# Allegro board LAY-27392_C.brd (continued)
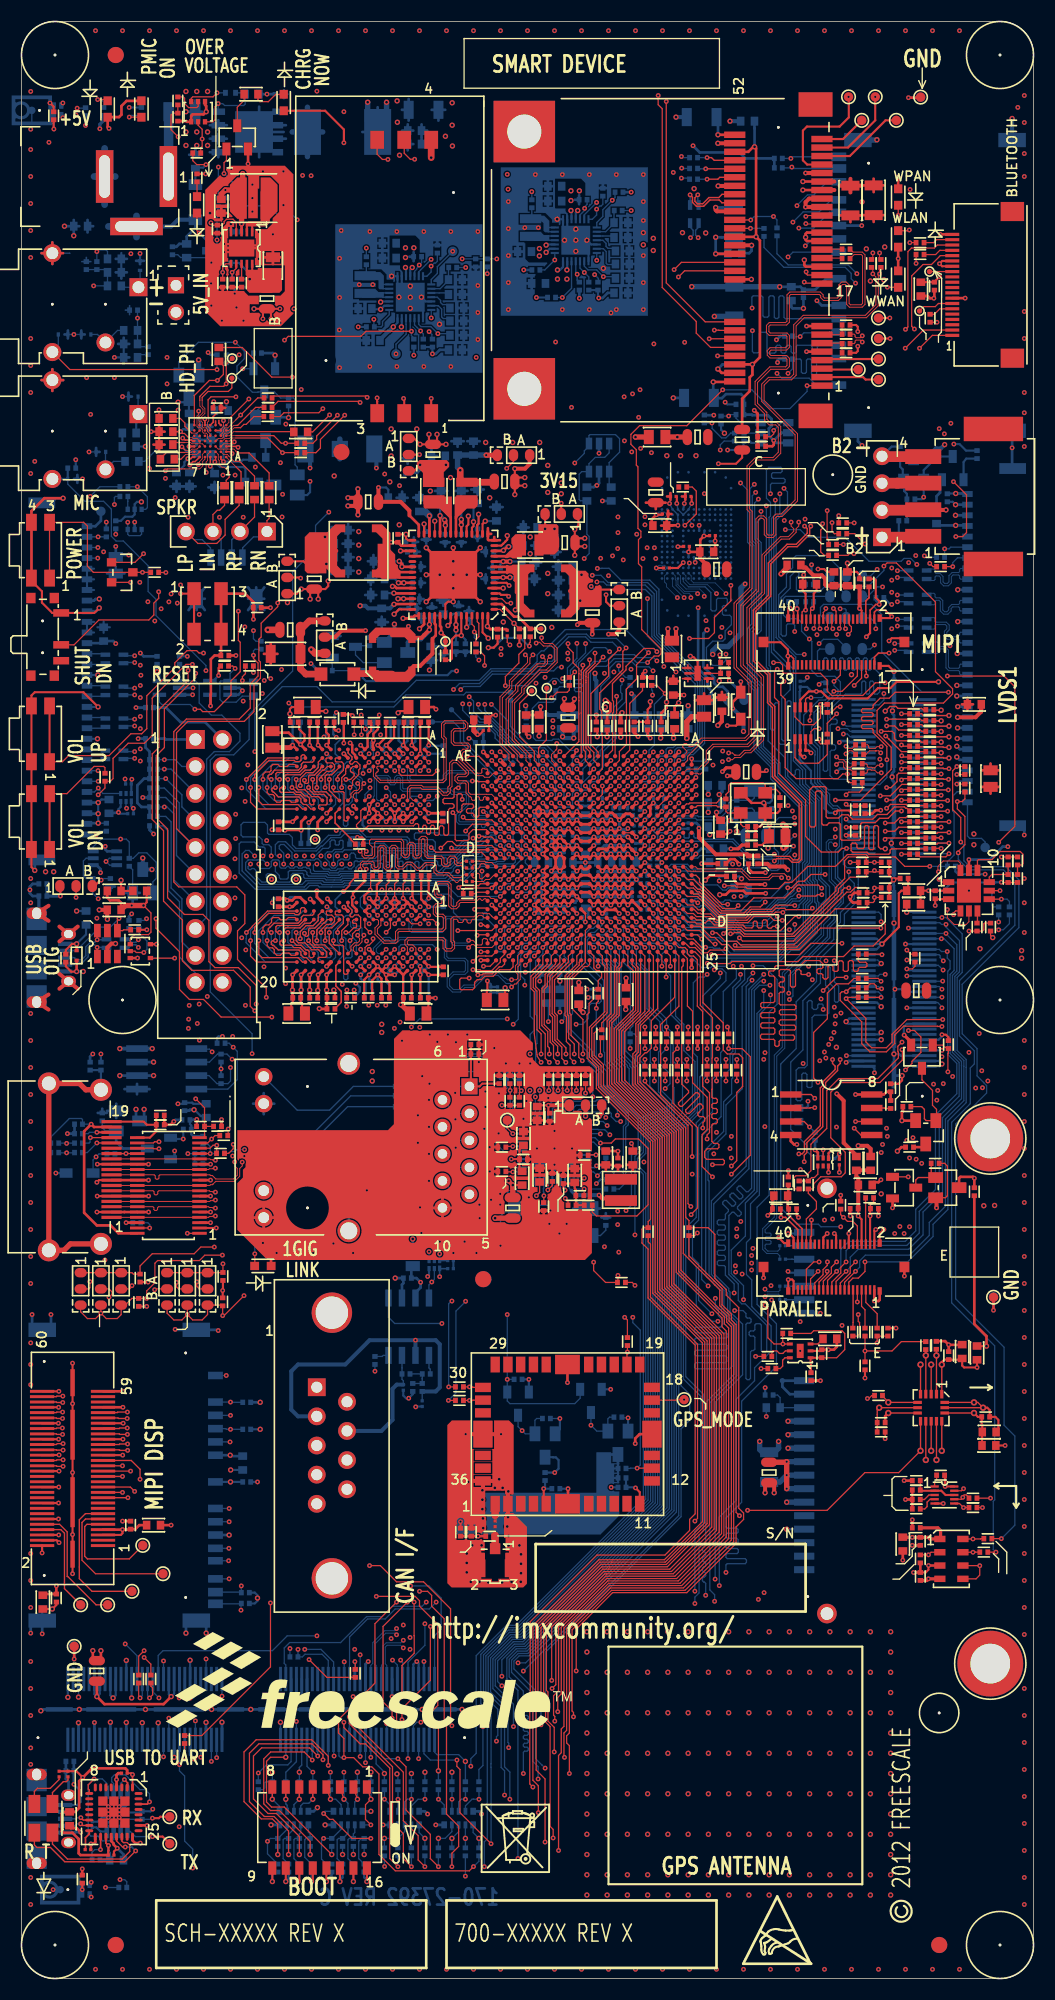
[diagram p0: board, top side]
## Routing (per net, layer and track width the routed paths; a pad name or vN(x,y) marks a point on that pad's centre or on a via; arc(x,y) is an arc through that point) (continued)
DSP0_DAT2: length 93
  TOP w0.127: R88.1 v1(82.8,106.81)
  TOP w0.178: U1.P23 v1(52.27,97.01)
  L3_INT_1 w0.114: v1(82.8,106.81) 82.39,106.39 82.39,105.52 83.49,104.42 83.49,101.41 81.91,99.83 80.73,99.83 80.05,99.15 80.05,94.55 79.19,93.7 79.19,77.51 79.08,77.39 78.93,77.39 78.82,77.28 78.82,77.05 78.93,76.93 79.08,76.93 79.19,76.82 79.19,76.59 79.08,76.48 78.93,76.48 78.82,76.36 78.82,76.13 78.93,76.02 79.08,76.02 79.19,75.91 79.19,75.68 79.08,75.56 78.93,75.56 78.82,75.45 78.82,75.22 78.93,75.11 79.08,75.11 79.19,74.99 79.19,73.4 79.02,73.23 78.36,73.23 78.16,73.43 78.16,77.67 77.56,78.27 77.56,84.54 78.45,85.43 78.45,92.57 77.78,93.24 77.45,93.24 77.21,92.99 77.21,90.94 v1(77.12,90.85)
  L6_INT_2 w0.114: v1(52.27,97.01) 52.58,96.69 52.58,96.08 54.06,94.6 58.04,94.6 58.74,93.9 58.74,93.33 59.73,92.34 61.41,92.34 62.31,91.43 67.38,91.43 68.86,89.95 73.57,89.95 74.42,90.8 75.6,90.8 75.82,91.02 76.94,91.02 v1(77.12,90.85)
DSP0_DAT3: length 96
  TOP w0.127: R86.1 81.39,107.31 v1(81.26,107.19)
  TOP w0.178: U1.P21 v1(52.27,98.61)
  L3_INT_1 w0.114: v1(81.26,107.19) 81.26,106.87 80.87,106.47 80.87,106.13 82.84,104.15 82.84,101.68 81.64,100.48 80.46,100.48 79.4,99.42 79.4,98.45 79.21,98.26 79.05,98.26 78.83,98.04 78.83,97.66 78.72,97.55 78.44,97.55 78.33,97.44 78.33,97.29 78.44,97.18 78.72,97.18 78.83,97.08 78.83,96.43 77.96,95.57 77.48,95.57 76.58,94.66 76.58,91.57 76.49,91.48 v1(76.49,91.4)
  L6_INT_2 w0.114: v1(76.49,91.4) 76.98,91.4 77.19,91.62 77.19,93.6 77.34,93.75 78.28,93.75 78.41,93.62 78.41,93.02 78.3,92.9 78.12,92.9 78,92.79 78,92.56 78.12,92.45 78.3,92.45 78.41,92.33 78.41,92.1 78.3,91.99 78.12,91.99 78,91.87 78,91.64 78.12,91.53 78.3,91.53 78.41,91.42 78.41,91.19 78.3,91.07 77.75,91.07 77.62,90.95 77.62,90.74 77.75,90.62 78.3,90.62 78.41,90.5 78.41,89.28 78.31,89.18 77,89.18 76.89,89.07 76.89,88.91 77,88.8 78.59,88.8 78.71,88.93 78.71,93.03 78.83,93.14 78.98,93.14 79.1,93.03 79.1,88.72 78.87,88.49 76.76,88.49 76.66,88.39 76.66,88.24 76.76,88.14 79.02,88.14 79.45,88.57 79.45,93.11 77.36,95.2 76.97,95.2 76.86,95.08 76.86,92.02 76.71,91.87 76.35,91.87 76.08,91.6 75.28,91.6 75.16,91.48 74.49,91.48 73.45,90.44 68.98,90.44 67.55,91.87 62.49,91.87 61.58,92.77 59.91,92.77 59.17,93.51 59.17,94.08 58.71,94.54 58.71,94.89 58.57,95.03 55.18,95.03 54.38,95.83 53.52,95.83 53.02,96.34 53.02,97.91 52.32,98.61 52.27,98.61 v1(52.27,98.61)
DSP0_DAT4: length 92.8
  TOP w0.119: U1.P20 v1(52.27,99.41) ; v1(77.6,94.21) 76.68,94.21 v1(75.44,92.96)
  TOP w0.127: R84.1 v1(82.8,107.82)
  L3_INT_1 w0.114: v1(82.8,107.82) 82.27,107.29 82.27,106.65 82.18,106.56 82.18,105.43 83.27,104.33 83.27,101.5 81.82,100.04 80.64,100.04 79.83,99.24 79.83,94.64 78.97,93.79 78.97,84.41 78.86,84.29 78.21,84.29 78.08,84.16 78.08,83.96 78.21,83.83 78.86,83.83 78.97,83.72 78.97,82.8 78.86,82.68 78.22,82.68 78.11,82.57 78.11,82.34 78.22,82.23 78.86,82.23 78.97,82.11 78.97,81.88 78.86,81.77 78.22,81.77 78.11,81.65 78.11,81.43 78.22,81.31 78.86,81.31 78.97,81.2 78.97,80.35 78.77,80.14 78.77,79.98 78.97,79.77 78.97,78.95 78.82,78.79 77.93,78.79 77.77,78.94 77.77,84.45 78.66,85.34 78.66,93.95 79.53,94.82 79.53,95 79.36,95.17 79.18,95.17 78.23,94.22 78.23,93.63 78.05,93.46 77.72,93.46 77.6,93.58 v1(77.6,94.21)
  L6_INT_2 w0.114: v1(52.27,99.41) 52.48,99.41 53.48,98.41 53.48,96.85 53.78,96.55 54.27,96.55 55.36,95.47 58.94,95.47 59.14,95.26 59.14,94.72 59.6,94.26 59.6,93.69 60.09,93.2 61.76,93.2 62.67,92.3 67.73,92.3 69.16,90.87 72.78,90.87 73.59,91.69 73.59,92.75 73.81,92.96 74.05,92.96 74.16,93.07 74.16,93.24 74.27,93.34 74.42,93.34 74.53,93.24 74.53,93.07 74.64,92.96 v1(75.44,92.96)
DSP0_DAT5: length 96
  TOP w0.119: v1(51.24,86.99) 51.24,87.57 50.42,88.39 50.42,90.63 50.16,90.89 50.16,93.98 51.87,95.68 U1.R25
  TOP w0.127: R82.1 82.55,108.33 82.17,107.95 v1(81.28,107.95)
  L3_INT_1 w0.114: v1(81.28,107.95) 81.28,107.72 81.58,107.42 82.09,107.42 82.42,107.74 82.42,107.98 82.64,108.21 82.96,108.21 83.19,107.98 83.19,106.69 83.92,105.96 83.92,98.38 83.7,98.16 82.85,98.16 82.15,97.46 82.15,93.9 81.59,93.34 81.59,92.84 81.83,92.6 81.83,92.17 81.54,91.87 80.54,91.87 80.39,91.72 80.39,91.03 80.5,90.92 81.05,90.92 81.15,90.81 81.15,90.66 81.05,90.55 80.5,90.55 80.39,90.44 80.39,90.29 80.5,90.18 81.05,90.18 81.15,90.07 81.15,89.92 81.05,89.81 80.5,89.81 80.39,89.71 80.39,86.49 81.27,85.61 81.27,81.47 81.79,80.95 81.79,80.14 81.79,80.14 81.79,79.85 81.56,79.62 80.24,79.62 80.11,79.5 80.11,77.29 80.64,76.77 80.64,75.7 80.77,75.56 80.98,75.56 81.1,75.69 81.1,76.94 80.49,77.55 80.49,79.12 80.62,79.25 v1(81.48,79.25)
  L6_INT_2 w0.114: v1(51.24,86.99) 51.62,86.62 51.62,85.98 52.05,85.54 53.89,85.54 55.27,84.16 57.14,84.16 59.27,82.03 67.41,82.03 68.38,81.06 76.36,81.06 78.17,79.25 v1(81.48,79.25)
DSP0_DAT6: length 94.8
  TOP w0.127: R81.1 v1(82.8,108.84)
  TOP w0.178: U1.R23 v1(51.47,97.01)
  L3_INT_1 w0.114: v1(76.57,89.83) 76.57,90.06 76.39,90.24 76.2,90.42 76.2,90.8 76.29,90.89 76.29,91.06 76.05,91.3 76.05,91.51 76.37,91.83 76.37,94.75 78.08,96.47 78.08,97.71 79.18,98.82 79.18,99.51 80.37,100.69 81.55,100.69 82.63,101.77 82.63,102.95 82.52,103.05 82.52,103.53 82.63,103.63 82.63,104.01 82.54,104.1 82.38,104.1 82.27,103.99 82.05,103.99 81.88,104.17 81.88,104.81 80.65,106.04 80.65,106.56 80.85,106.76 80.85,107.09 80.65,107.28 80.65,107.47 80.88,107.7 80.88,107.93 80.65,108.15 80.65,108.41 80.74,108.5 80.9,108.5 80.95,108.46 80.96,108.46 81.08,108.34 81.44,108.34 81.69,108.58 81.69,109.12 81.82,109.25 81.99,109.25 82.09,109.15 82.09,108.56 81.67,108.13 81.67,107.87 81.78,107.76 81.98,107.76 82.17,107.94 82.17,108.07 82.42,108.33 82.42,109.09 82.58,109.25 83.52,109.25 83.63,109.13 83.63,108.23 83.53,108.13 83.39,108.13 83.29,108.23 83.29,108.74 83.19,108.84 v1(82.8,108.84)
  L6_INT_2 w0.114: v1(76.57,89.83) 76.24,89.83 76.15,89.92 76.15,90.17 76.05,90.27 75.84,90.27 75.72,90.14 75.72,89.59 75.59,89.46 69.15,89.46 69.06,89.37 69.06,89.24 69.15,89.15 75.71,89.15 75.79,89.07 75.79,88.95 75.71,88.86 69.06,88.86 68.06,89.87 67.56,89.87 67.44,89.99 67.44,90.12 67.64,90.32 67.64,90.45 67.5,90.59 61.81,90.59 61.72,90.68 61.72,90.89 61.36,91.25 58.54,91.25 57.25,92.53 56.92,92.53 56.67,92.79 54.3,92.79 54.2,92.88 54.2,93.02 54.3,93.12 56.74,93.12 57.02,92.84 57.35,92.84 58.67,91.52 61.07,91.52 61.16,91.61 61.16,91.75 61.07,91.85 58.88,91.85 57.58,93.14 57.28,93.14 57,93.42 54.32,93.42 53.77,93.98 53.44,93.98 52.84,94.58 52.64,94.58 52.54,94.69 52.54,95.21 51.47,96.28 v1(51.47,97.01)
DSP0_DAT7: length 96.1
  TOP w0.119: v1(51.23,86.21) 50.85,86.58 50.85,87.64 50.2,88.3 50.2,90.54 49.94,90.8 49.94,94.14 51.21,95.41 51.23,95.41 51.47,95.64 51.47,96.21 U1.R24
  TOP w0.127: R80.1 83.34,109.35 83.22,109.23 82.64,109.23 82.13,108.72 v1(81.28,108.72)
  L3_INT_1 w0.114: v1(81.28,108.72) 81.28,109.14 81.37,109.23 81.5,109.23 81.73,109.47 83.65,109.47 83.85,109.27 83.85,106.34 84.14,106.05 84.14,98.29 83.79,97.94 82.93,97.94 82.37,97.37 82.37,93.81 81.81,93.25 81.81,92.93 82.37,92.37 82.37,92.1 82.25,91.98 81.95,91.98 81.84,91.87 81.84,91.64 81.95,91.53 82.25,91.53 82.37,91.41 82.37,91.18 82.25,91.07 81.67,91.07 81.56,90.95 81.56,90.73 81.67,90.61 82.25,90.61 82.37,90.5 82.37,90.27 82.25,90.15 81.67,90.15 81.56,90.04 81.56,89.81 81.67,89.7 82.25,89.7 82.37,89.58 82.37,89.35 82.25,89.24 81.58,89.24 81.46,89.11 81.46,88.91 81.58,88.78 82.1,88.78 82.24,88.64 82.24,87.66 82.11,87.53 81.88,87.53 81.76,87.64 81.76,88.32 81.64,88.44 81.43,88.44 81.31,88.32 81.31,87.96 81.21,87.86 80.85,87.86 80.72,87.73 80.72,87.44 80.85,87.31 81.52,87.31 81.64,87.2 81.64,86.97 81.52,86.86 80.9,86.86 80.77,86.73 80.77,86.54 80.9,86.41 81.41,86.41 81.53,86.28 81.53,81.56 82,81.09 82,80.38 82,80.38 82,78.63 81.57,78.19 81.32,78.19 v1(81.03,78.49)
  L6_INT_2 w0.114: v1(51.23,86.21) 51.23,85.79 51.7,85.32 53.8,85.32 55.18,83.94 57.05,83.94 59.18,81.81 67.32,81.81 68.29,80.84 75.97,80.84 v1(76.69,80.12) 77.78,79.03 80.48,79.03 v1(81.03,78.49)
DSP0_DAT8: length 94.7
  TOP w0.127: v1(82.8,109.86) 82.25,109.86 81.56,109.17 80.75,109.17 80.34,108.76 79.1,108.76 78.97,108.64 78.97,107.24 78.84,107.11 77.19,107.11 77.06,107.24 77.06,108.61 76.94,108.74 76,108.74 75.79,108.53 75.44,108.53 75.31,108.66 75.31,111.61 75.18,111.73 74.85,111.73 74.73,111.61 74.73,108.48 74.6,108.36 74.29,108.36 74.16,108.48 74.16,111.83 74.47,112.14 75.59,112.14 75.72,112.01 75.72,109.32 75.84,109.19 76.89,109.19 77.19,109.5 77.77,109.5 78.18,109.09 80.11,109.09 80.55,109.53 81.44,109.53 82.14,110.24 83.08,110.24 83.21,110.11 83.31,110.11 83.57,109.86 R79.1
  TOP w0.178: U1.R22 51.87,98.21 v1(51.47,97.81)
  L3_INT_1 w0.114: v1(76.45,89.03) 76.18,89.3 76.18,90.14 75.83,90.49 75.83,91.6 76.15,91.92 76.15,94.84 77.86,96.56 77.86,97.8 78.97,98.91 78.97,99.6 80.28,100.91 81.46,100.91 82.41,101.86 82.41,102.78 82.25,102.95 81.76,102.95 81.66,103.05 81.66,103.2 81.66,104.72 80.44,105.95 80.44,109.4 80.56,109.52 81.41,109.52 81.57,109.69 81.74,109.86 v1(82.8,109.86)
  L6_INT_2 w0.114: v1(51.47,97.81) 51.05,97.4 51.05,97.17 51.05,96.39 52.32,95.12 52.32,94.5 52.45,94.37 52.75,94.37 53.35,93.76 53.68,93.76 53.94,93.5 53.94,92.65 54.03,92.57 56.58,92.57 56.83,92.32 57.16,92.32 58.45,91.03 61.27,91.03 61.51,90.8 61.51,90.59 61.72,90.37 66.75,90.37 67.47,89.65 67.97,89.65 68.97,88.64 75.87,88.64 76.07,88.85 76.07,88.87 76.2,89 76.45,89 v1(76.45,89.03)
DSP0_DAT9: length 96.7
  TOP w0.119: U1.T25 51.07,95.64 49.72,94.3 49.72,90.71 49.98,90.45 49.98,88.21 50.46,87.72 v1(50.46,86.99)
  TOP w0.127: R76.1 83.36,110.36 83.25,110.48 81.78,110.48 v1(81.41,110.11)
  L3_INT_1 w0.114: v1(81.41,110.11) 81.91,110.11 82.17,110.36 83.57,110.36 84.1,109.83 84.1,106.4 84.35,106.14 84.35,98.2 83.88,97.73 83.02,97.73 82.8,97.5 82.8,97.5 82.58,97.28 82.58,93.72 82.47,93.61 82.47,93.36 82.58,93.25 82.58,92.93 82.47,92.82 82.47,92.57 82.58,92.46 82.58,92.01 82.47,91.9 82.47,91.61 82.58,91.5 82.58,91.09 82.47,90.99 82.47,90.69 82.58,90.59 82.58,90.18 82.47,90.07 82.47,89.78 82.65,89.6 82.65,88.82 82.47,88.64 82.47,87.24 82.47,87.23 82.47,87.22 82.75,86.94 82.75,86.39 81.75,85.38 81.75,81.67 82.22,81.21 82.22,80.47 82.22,78.54 81.79,78.11 81.79,75.2 83.04,73.95 83.04,73.77 82.84,73.57 82.66,73.57 81.41,74.83 81.41,77.63 81.31,77.72 v1(80.9,77.72)
  L6_INT_2 w0.114: v1(80.9,77.72) 79.81,78.82 77.39,78.82 75.58,80.63 73.95,80.63 73.48,80.16 v1(69.95,80.16) 68.66,80.16 67.23,81.6 59.09,81.6 56.96,83.72 55.09,83.72 53.71,85.11 51.57,85.11 50.84,85.84 50.84,86.61 v1(50.46,86.99)
DSP0_DAT10: length 94.8
  TOP w0.127: R74.1 v1(82.8,110.87)
  TOP w0.178: U1.R21 v1(51.47,98.61)
  L3_INT_1 w0.114: v1(82.8,110.87) 83.41,110.87 83.74,110.55 83.9,110.55 84.05,110.69 84.05,111 83.79,111.25 82.42,111.25 82.3,111.12 82.3,110.79 82.08,110.58 82.08,110.58 82,110.5 80.45,110.5 80.22,110.27 80.22,105.86 81.44,104.63 81.44,103.11 81.45,102.74 81.52,102.67 82.11,102.67 82.19,102.58 82.19,101.95 81.37,101.12 80.19,101.12 78.75,99.69 78.75,99 77.65,97.89 77.65,96.65 77.39,96.39 77.37,96.39 77.05,96.07 76.78,96.07 v1(76.48,95.77)
  L6_INT_2 w0.114: v1(51.47,98.61) 51.85,98.22 52.4,98.22 52.8,97.82 52.8,96.17 54.15,94.82 58.13,94.82 58.95,93.99 58.95,93.42 59.82,92.55 61.5,92.55 62.4,91.65 67.47,91.65 68.89,90.23 73.54,90.23 74.5,91.19 v1(75.44,91.19)
  BOTTOM w0.119: v1(75.44,91.19) 75.44,91.19 75.44,91.59 75.34,91.69 75.03,91.69 74.93,91.59 74.93,91.34 74.78,91.19 74.55,91.19 74.4,91.34 74.4,91.92 74.29,92.03 74.12,92.03 73.94,91.85 73.94,85.94 73.7,85.7 73.13,85.7 72.9,85.47 72.9,82.73 73.02,82.6 73.3,82.6 73.43,82.73 73.43,85.06 73.56,85.19 73.79,85.19 73.91,85.06 73.91,83.95 74.02,83.85 74.3,83.85 74.4,83.95 74.4,90.42 74.63,90.65 75.77,90.65 75.97,90.86 75.97,93.14 75.67,93.45 75.67,95.17 75.74,95.25 75.97,95.25 76.1,95.12 76.1,93.6 76.5,93.19 76.5,91.99 76.62,91.87 76.78,91.87 76.9,91.99 76.9,93.38 76.48,93.8 v1(76.48,95.77)
DSP0_DAT11: length 95.9
  TOP w0.127: R73.1 82.55,111.38 82.05,110.88 v1(81.41,110.88)
  TOP w0.178: U1.T23 v1(50.67,97.01)
  L3_INT_1 w0.114: v1(76.2,88.43) 75.96,88.67 75.96,90.05 75.69,90.32 75.62,90.4 75.06,90.96 75.06,91.44 75.91,92.29 75.91,94.49 75.64,94.77 75.64,95.14 76.1,95.6 76.1,96.04 76.28,96.22 76.58,96.22 76.86,96.49 76.86,96.57 76.69,96.74 76.41,96.74 76.23,96.57 76.07,96.57 75.95,96.7 75.93,96.7 75.93,96.87 76.24,97.18 76.63,97.18 76.82,97.37 76.82,97.76 76.98,97.92 77.32,97.92 77.44,98.05 77.44,98.37 77.57,98.49 77.95,98.49 78.05,98.6 78.05,99 78.54,99.48 78.54,99.78 80.1,101.34 80.66,101.34 80.77,101.45 80.77,101.93 80.87,102.03 81.05,102.03 81.18,101.9 81.18,101.63 81.28,101.52 81.46,101.52 81.91,101.98 81.91,102.34 81.81,102.44 81.33,102.44 81.23,102.54 81.23,103.02 81.23,104.34 80.93,104.64 80.1,104.64 79.76,104.99 79.76,105.78 79.86,105.89 79.88,105.89 79.98,106 79.98,106.15 79.88,106.26 79.86,106.26 79.76,106.37 79.76,106.52 79.86,106.63 79.88,106.63 79.98,106.73 79.98,106.89 79.88,106.99 79.86,106.99 79.76,107.1 79.76,107.26 79.86,107.36 79.88,107.36 79.98,107.47 79.98,107.62 79.88,107.73 79.86,107.73 79.76,107.84 79.76,107.99 79.86,108.1 79.88,108.1 79.98,108.21 79.98,108.36 79.88,108.47 79.86,108.47 79.76,108.58 79.76,108.73 79.86,108.84 79.88,108.84 79.98,108.94 79.98,109.1 79.88,109.2 79.86,109.2 79.76,109.31 79.76,109.46 79.86,109.57 79.88,109.57 79.98,109.68 79.98,109.83 79.88,109.94 79.86,109.94 79.76,110.05 79.76,110.41 80.21,110.87 80.98,110.87 80.99,110.88 v1(81.41,110.88)
  L6_INT_2 w0.114: v1(76.2,88.43) 75.65,88.43 75.49,88.27 75.49,87.96 75.36,87.83 75.18,87.83 75.06,87.96 75.06,88.3 74.93,88.43 74.26,88.43 74.14,88.32 73.33,88.32 73.22,88.43 72.88,88.43 72.75,88.29 72,88.29 71.86,88.43 71.3,88.43 71.17,88.3 71.17,88.11 71.3,87.99 74.6,87.99 74.7,87.88 74.7,87.73 74.57,87.6 71.25,87.6 70.48,88.37 68.94,88.37 67.88,89.43 67.22,89.43 67.07,89.59 67.07,89.75 66.68,90.14 66.18,90.14 66.06,90.02 65.9,90.02 65.78,90.14 65.28,90.14 65.07,89.93 64.98,89.93 64.77,90.14 64.27,90.14 64.15,90.03 63.99,90.03 63.88,90.14 63.38,90.14 63.26,90.03 63.1,90.03 62.99,90.14 62.49,90.14 62.28,89.93 62.18,89.93 61.97,90.14 60.46,90.14 60.31,89.99 60.09,89.99 59.94,90.14 59.41,90.14 59.3,90.02 59.04,90.02 58.92,90.14 57.98,90.14 57.34,90.77 56.94,90.77 56.69,90.53 56.07,90.53 55.96,90.64 55.96,90.96 56.03,91.03 56.35,91.03 56.45,91.14 56.45,91.4 56.31,91.54 54.6,91.54 54.48,91.66 54.48,91.82 54.6,91.94 56.38,91.94 56.62,91.69 56.95,91.69 58.19,90.45 61.18,90.45 61.29,90.56 61.29,90.71 61.18,90.81 58.36,90.81 57.07,92.1 56.74,92.1 56.49,92.35 54.58,92.35 54.31,92.08 53.91,92.08 53.73,92.25 53.73,93.41 53.59,93.55 53.01,93.55 52.88,93.68 52.88,93.93 52.66,94.15 52.24,94.15 52.1,94.28 52.1,95.03 50.67,96.47 v1(50.67,97.01)
DSP0_DAT12: length 94.2
  TOP w0.119: U1.T24 50.67,96.21 50.67,95.56 49.5,94.39 49.5,93.38 49.2,93.08 49.2,89.75 49.76,89.2 49.76,88.12 50.07,87.8 50.07,86.59 v1(50.45,86.21)
  TOP w0.127: R72.1 82.93,111.89 82.82,111.77 v1(82.8,111.77)
  L3_INT_1 w0.114: v1(82.8,111.77) 83.81,111.77 84.32,111.26 84.32,106.48 84.57,106.23 84.57,104.32 84.68,104.21 84.97,104.21 85.08,104.09 85.08,103.86 84.97,103.75 84.68,103.75 84.57,103.63 84.57,103.31 84.68,103.19 84.82,103.19 84.94,103.08 84.94,102.85 84.82,102.74 84.68,102.74 84.57,102.62 84.57,102.39 84.68,102.28 84.82,102.28 84.94,102.17 84.94,101.94 84.82,101.82 84.68,101.82 84.57,101.71 84.57,97.85 83.78,97.06 83.78,93.95 83.67,93.84 83.22,93.84 83.11,93.72 83.11,93.49 83.22,93.38 83.67,93.38 83.78,93.26 83.78,93.04 83.67,92.92 83.22,92.92 83.11,92.81 83.11,92.58 83.22,92.46 83.67,92.46 83.78,92.35 83.78,90.92 83.67,90.8 83.13,90.8 83.02,90.69 83.02,90.46 83.13,90.34 83.38,90.34 84.07,89.66 84.07,87.06 82.38,85.38 82.38,81.78 83.26,80.9 83.26,80.56 82.85,80.15 82.85,77.67 82.93,77.6 83.24,77.6 83.31,77.67 v1(83.31,78.87)
  L6_INT_2 w0.114: v1(83.31,78.87) 83.31,77.9 82.75,77.34 80.37,77.34 79.76,77.95 77.96,77.95 76.27,79.63 68.53,79.63 66.78,81.38 59,81.38 56.87,83.51 55,83.51 53.62,84.89 51.36,84.89 50.45,85.79 v1(50.45,86.21)
DSP0_DAT13: length 96
  TOP w0.119: v1(51.47,99.41) 51.87,99.81 U1.R20
  TOP w0.127: v1(80.82,111.28) 81.75,111.28 82.84,112.36 85.06,112.36 R70.1
  L3_INT_1 w0.114: v1(75.71,95.76) 75.71,96.96 78.32,99.57 78.32,99.87 79.53,101.08 79.53,102.12 79.64,102.23 80.77,102.23 81.01,102.48 81.01,102.93 81.01,103.64 80.79,103.87 79.97,103.87 79.53,104.3 79.53,110.52 80.29,111.28 v1(80.82,111.28)
  L6_INT_2 w0.114: v1(75.71,95.76) 75.71,97.66 75.73,97.68 75.73,101.92 77.19,103.38 77.19,105.87 76.86,106.2 76.28,106.2 76.15,106.07 76.15,105.49 76.02,105.36 75.72,105.36 75.59,105.49 75.59,106.32 75.46,106.45 75.13,106.45 75.01,106.32 75.01,105.38 74.88,105.26 74.63,105.26 74.5,105.38 74.5,106.43 74.37,106.55 74.08,106.55 73.95,106.43 73.95,98.56 74.14,98.37 74.14,96.37 74.46,96.05 74.46,95.09 74.23,94.86 73.91,94.86 73.68,95.09 73.68,97.85 73.47,98.07 72.7,98.07 72.35,97.73 72.35,93.6 72.95,93 72.95,91.97 72.87,91.89 72.87,91.87 72.51,91.52 69.43,91.52 68,92.94 62.93,92.94 62.03,93.85 60.83,93.85 60.83,93.85 60.38,93.85 60.25,93.97 60.25,94.74 60.12,94.86 59.92,94.86 59.79,94.99 59.79,95.53 59.92,95.66 60.07,95.66 60.2,95.78 60.2,95.96 60.04,96.11 56.36,96.11 55.85,96.62 55.85,97.97 55.63,98.2 55.33,98.2 55.08,98.45 55.08,100.37 54.85,100.6 53.23,100.6 52.45,99.82 52.07,99.82 51.85,99.61 51.66,99.61 v1(51.47,99.41)
DSP0_DAT14: length 93.8
  TOP w0.119: U1.U25 50.27,95.48 49.28,94.49 49.28,93.47 48.98,93.17 48.98,89.66 49.53,89.11 49.53,87.71 49.68,87.55 v1(49.68,86.99)
  TOP w0.127: R67.1 82.93,112.9 v1(82.8,112.78)
  L3_INT_1 w0.114: v1(82.8,112.78) 82.8,112.37 83.13,112.04 83.69,112.04 83.82,112.17 84.3,112.17 84.43,112.04 84.43,111.86 84.32,111.75 84.32,111.59 84.53,111.38 84.53,106.57 84.89,106.22 84.89,105.69 84.99,105.58 85.36,105.58 85.47,105.47 85.47,105.32 85.36,105.21 84.99,105.21 84.89,105.1 84.89,104.62 85.65,103.86 85.65,103.66 85.57,103.58 85.33,103.58 85.22,103.46 85.22,103.23 85.33,103.12 85.62,103.12 85.73,103 85.73,102.2 84.79,101.25 84.79,97.76 84.28,97.26 84.28,86.82 83.85,86.39 83.85,86.05 84.07,85.83 84.07,85.29 83.79,85.01 83.49,85.01 83.03,84.55 82.75,84.55 82.6,84.4 82.6,83.5 82.71,83.39 82.95,83.39 83.06,83.28 83.06,83.13 82.95,83.02 82.71,83.02 82.6,82.92 82.6,82.76 82.71,82.66 82.95,82.66 83.06,82.55 83.06,82.4 82.95,82.29 82.71,82.29 82.6,82.18 82.6,81.86 83.48,80.99 83.48,80.47 83.08,80.08 83.08,79.41 83.2,79.3 83.36,79.3 83.47,79.41 83.47,79.88 83.63,80.04 83.85,80.04 83.97,79.91 83.97,79.62 83.89,79.53 v1(83.89,79.12)
  L6_INT_2 w0.114: v1(83.89,79.12) 83.89,78.17 82.84,77.12 80.12,77.12 79.51,77.73 77.87,77.73 76.19,79.41 68.44,79.41 66.69,81.17 58.91,81.17 56.78,83.29 54.91,83.29 53.53,84.68 51.19,84.68 50.07,85.8 50.07,86.61 v1(49.68,86.99)
DSP0_DAT15: length 95.9
  TOP w0.127: R65.1 82.55,113.41 82.38,113.25 82.38,112.61 81.83,112.05 v1(81.41,112.05)
  TOP w0.178: v1(50.67,97.81) 51.07,98.21 U1.T22
  L3_INT_1 w0.114: v1(75.96,87.9) 75.95,87.91 75.95,88.14 75.75,88.34 75.75,89.96 74.82,90.88 74.82,93.22 75.24,93.64 75.24,94.32 75.11,94.45 75.11,97.26 77.77,99.93 77.77,99.93 79.1,101.26 79.1,111.11 80.05,112.05 v1(81.41,112.05)
  L6_INT_2 w0.114: v1(75.96,87.9) 75.64,87.57 74.84,87.57 74.63,87.36 71.19,87.36 70.39,88.16 68.85,88.16 67.79,89.22 66.95,89.22 66.85,89.32 66.85,89.66 66.59,89.92 66.27,89.92 66.06,89.71 65.9,89.71 65.69,89.92 65.37,89.92 65.16,89.71 64.89,89.71 64.68,89.92 64.36,89.92 64.15,89.71 64,89.71 63.79,89.92 63.47,89.92 63.26,89.71 63.11,89.71 62.9,89.92 62.58,89.92 62.37,89.71 62.09,89.71 61.88,89.92 61.55,89.92 61.32,89.7 61.09,89.7 60.87,89.92 60.55,89.92 60.32,89.7 60.08,89.7 59.85,89.92 59.52,89.92 59.28,89.69 59.07,89.69 58.95,89.81 58.83,89.92 57.89,89.92 57.36,90.45 57.12,90.45 57,90.33 57,90.17 57.71,89.46 58.17,89.46 58.29,89.33 58.29,89.14 58.17,89.01 57.6,89.01 56.37,90.25 55.8,90.25 55.73,90.32 55.73,91.19 55.66,91.26 55.56,91.26 55.49,91.19 55.49,90.32 55.42,90.25 55.32,90.25 55.25,90.32 55.25,91.19 55.18,91.26 55.08,91.26 55.01,91.19 55.01,90.32 54.94,90.25 54.84,90.25 54.77,90.32 54.77,91.19 54.7,91.26 54.6,91.26 54.53,91.19 54.53,90.32 54.46,90.25 54.36,90.25 54.29,90.32 54.29,90.76 54.21,90.83 54.11,90.83 54.04,90.76 54.04,90.32 53.97,90.25 53.88,90.25 53.81,90.32 53.81,90.78 53.73,90.86 53.64,90.86 53.56,90.78 53.56,90.32 53.49,90.25 53.34,90.25 53.21,90.37 53.21,90.68 53.27,90.74 53.27,91.12 53.34,91.19 53.59,91.19 53.68,91.27 53.68,91.79 53.57,91.9 53.26,91.9 53.16,91.8 53.16,91.57 53.04,91.44 52.84,91.44 52.71,91.57 52.71,91.94 52.6,92.05 52.44,92.05 52.32,91.94 52.32,91.67 52.22,91.57 51.97,91.57 51.89,91.64 51.89,92 51.77,92.13 51.61,92.13 51.49,92 51.49,91.67 51.38,91.57 51.26,91.57 50.98,91.85 50.98,92.32 51.05,92.39 52.81,92.39 52.91,92.49 52.91,92.63 52.81,92.74 51.05,92.74 50.98,92.81 50.98,93.17 51.08,93.27 51.74,93.27 52.04,92.96 52.73,92.96 52.83,93.07 52.83,93.21 52.73,93.31 52.22,93.31 52.04,93.5 52.04,93.78 51.85,93.96 51.85,94.96 51.49,95.33 51.31,95.33 51.18,95.2 51.18,95.02 51.51,94.69 51.51,93.7 51.41,93.6 51.19,93.6 51.09,93.7 51.09,94.02 50.86,94.25 50.86,95.34 51.05,95.53 51.05,95.78 50.25,96.57 50.25,98.09 50.38,98.22 50.54,98.22 50.67,98.09 v1(50.67,97.81)
DSP0_DAT16: length 94.4
  TOP w0.127: R62.1 83.02,113.92 82.91,113.8 v1(82.8,113.8)
  TOP w0.178: U1.T21 v1(50.67,98.61)
  L3_INT_1 w0.114: v1(75.24,92.17) 75.04,92.37 75.04,93.13 75.7,93.79 75.7,94.4 75.32,94.78 75.32,96.88 78.11,99.66 78.11,99.96 79.32,101.17 79.32,111.02 79.97,111.66 80.98,111.66 81.26,111.38 82.14,111.38 82.34,111.58 82.34,111.93 82.23,112.05 81.95,112.05 81.84,112.16 81.84,112.39 81.95,112.5 82.23,112.5 82.34,112.62 82.34,113.02 82.58,113.26 83.06,113.26 83.21,113.11 83.21,112.52 83.34,112.39 84.3,112.39 84.45,112.55 84.45,113.67 84.33,113.79 84.15,113.79 84.02,113.67 84.02,112.83 83.9,112.7 83.72,112.7 83.62,112.8 83.62,114 83.74,114.12 84.33,114.12 84.45,114.25 84.45,114.4 84.15,114.71 83.52,114.71 83.24,114.43 83.24,113.96 83.08,113.8 v1(82.8,113.8)
  L6_INT_2 w0.114: v1(75.24,92.17) 76.39,92.17 76.52,92.3 76.52,95.24 76.41,95.35 75.77,95.35 75.64,95.22 75.64,94.89 75.77,94.77 76.1,94.77 76.23,94.64 76.23,93.93 76.1,93.8 75.41,93.8 75.29,93.93 75.29,94.08 75.46,94.26 75.46,94.54 75.29,94.72 75.29,100.25 75.16,100.38 74.94,100.38 74.81,100.25 74.81,93.48 74.94,93.35 75.95,93.35 76.07,93.22 76.07,92.7 75.95,92.58 74,92.58 73.81,92.39 73.81,91.6 72.87,90.66 69.07,90.66 67.64,92.08 62.58,92.08 61.67,92.98 60,92.98 59.39,93.6 59.39,94.17 58.93,94.63 58.93,95.17 58.85,95.25 55.27,95.25 54.39,96.13 53.88,96.13 53.23,96.78 53.23,98.28 52.51,99 51.05,99 v1(50.67,98.61)
DSP0_DAT17: length 96.8
  TOP w0.119: U1.U24 49.87,96.21 49.87,95.53 48.39,94.05 48.39,93.34 48.76,92.98 48.76,89.42 49.29,88.88 49.29,86.59 v1(49.68,86.21)
  TOP w0.127: v1(82.8,114.45) 85.07,114.45 R60.1
  L3_INT_1 w0.114: v1(82.8,114.45) 83.39,115.04 84.12,115.04 84.75,114.41 84.75,106.66 85.9,105.51 85.9,103.28 86.17,103.01 86.17,102.04 85.91,101.78 85.64,101.78 85,101.15 85,97.67 84.5,97.17 84.5,85.24 83.34,84.08 83.34,83.72 83.34,82.29 84.28,81.35 84.28,77.93 v1(83.57,77.22)
  L6_INT_2 w0.114: v1(49.68,86.21) 49.68,85.79 51.01,84.46 53.44,84.46 54.82,83.08 56.69,83.08 58.82,80.95 66.6,80.95 68.35,79.2 73.76,79.2 73.87,79.09 73.87,78.77 73.98,78.66 74.13,78.66 74.24,78.77 74.24,79.09 74.35,79.2 74.5,79.2 74.61,79.09 74.61,78.77 74.71,78.66 74.87,78.66 74.98,78.77 74.98,79.09 75.08,79.2 75.24,79.2 75.34,79.09 75.34,78.77 75.45,78.66 75.6,78.66 75.71,78.77 75.71,79.09 75.82,79.2 76.1,79.2 77.78,77.51 79.38,77.51 79.99,76.9 83.25,76.9 v1(83.57,77.22)
DSP0_DAT18: length 93.8
  TOP w0.119: U1.V25 49.47,95.44 48.17,94.14 48.17,93.25 48.51,92.91 48.51,89.29 48.9,88.9 v1(48.9,86.99)
  TOP w0.127: R59.1 83.02,114.94 82.91,115.05 v1(82.83,115.05)
  L3_INT_1 w0.114: v1(84.19,77.1) 84.49,77.4 84.49,81.44 83.55,82.38 83.55,83.99 84.71,85.15 84.71,97.08 85.22,97.58 85.22,97.94 85.22,101.06 85.73,101.57 86,101.57 86.72,102.29 86.72,104.99 84.96,106.75 84.96,114.5 84.19,115.28 83.06,115.28 v1(82.83,115.05)
  L6_INT_2 w0.114: v1(48.9,86.99) 49.29,86.6 49.29,85.81 50.86,84.25 53.35,84.25 54.73,82.86 56.6,82.86 58.73,80.73 66.51,80.73 68.26,78.98 73.14,78.98 73.74,78.38 76.4,78.38 76.64,78.15 76.64,77.82 76.57,77.75 76.57,77.44 76.81,77.2 79.39,77.2 79.9,76.69 83.78,76.69 v1(84.19,77.1)
